# Altium PCB top_LM_v1.PcbDoc (part 2 of 5) (continued)
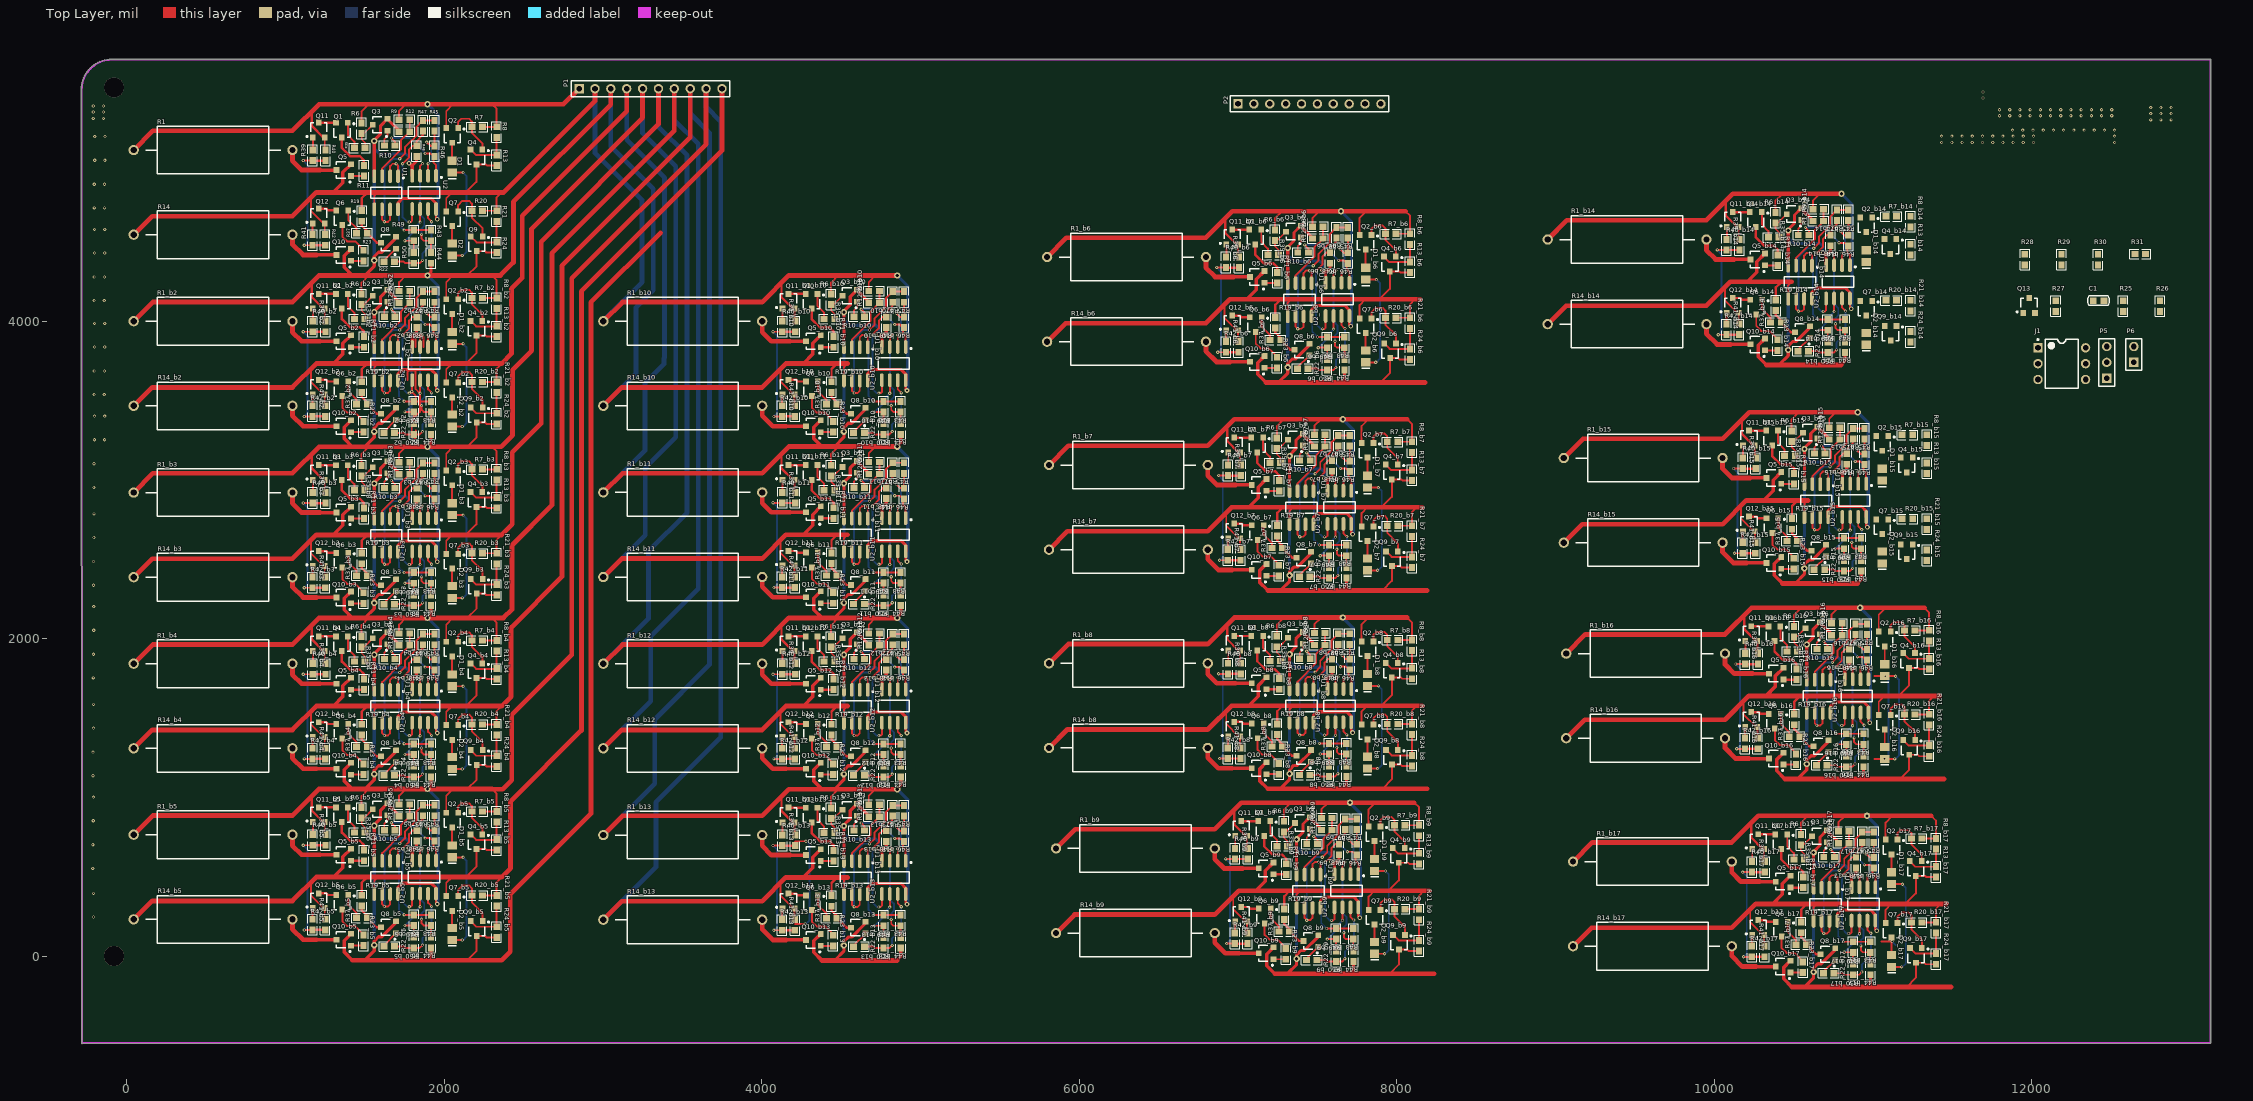
[diagram p0: Top Layer view]
## Part data (continued)

## Via types
v1: diameter 20, hole 10, Top Layer to Bottom Layer, 458 vias
v2: diameter 40, hole 20, Top Layer to Bottom Layer, 51 vias
v3: diameter 30, hole 15, Top Layer to Bottom Layer, 34 vias
v4: diameter 125.98, hole 125.98, Top Layer to Bottom Layer, 2 vias

## Nets (pads, with @x,y where several pads share a name; then routed paths per layer and width w, separated by ;. In a path a pad name is that pad's centre, name@x,y a point inside that pad or via, vN(x,y) a via of type N, cw(c..) or ccw(c..) an arc to the next point about the centre after c; other vN are vias at no path point)
12V_GND: 
+12V: 
ALARM: 
G1_VC1_BUF: R43.1 R49.1 U1.1 U1.2 | length 798.4
  Top Layer w12: U1.2@1660,4912.75 1660,4976.26 1675,4991.26 v1(1698,4991.26) 1710,4979.26 U1.1@1710,4912.75 ; v1@1748.54,4572.72 R49.1@1809,4572.72 R43.1@1917,4572.72
  Bottom Layer w12: v1(1698,4991.26) 1715,4974.26 1715,4606.26 v1(1748,4573.26)
G1_VC1_BUF_b2: R43_b2.1 R49_b2.1 U1_b2.1 U1_b2.2 | length 798.4
  Top Layer w12: U1_b2.2@1660,3834.75 1660,3898.26 1675,3913.26 v1(1698,3913.26) 1710,3901.26 U1_b2.1@1710,3834.75 ; v1@1748.54,3494.72 R49_b2.1@1809,3494.72 R43_b2.1@1917,3494.72
  Bottom Layer w12: v1(1698,3913.26) 1715,3896.26 1715,3528.26 v1(1748,3495.26)
G1_VC1_BUF_b3: R43_b3.1 R49_b3.1 U1_b3.1 U1_b3.2 | length 798.4
  Top Layer w12: U1_b3.2@1660,2755.75 1660,2819.26 1675,2834.26 v1(1698,2834.26) 1710,2822.26 U1_b3.1@1710,2755.75 ; v1@1748.54,2415.72 R49_b3.1@1809,2415.72 R43_b3.1@1917,2415.72
  Bottom Layer w12: v1(1698,2834.26) 1715,2817.26 1715,2449.26 v1(1748,2416.26)
G1_VC1_BUF_b4: R43_b4.1 R49_b4.1 U1_b4.1 U1_b4.2 | length 798.4
  Top Layer w12: U1_b4.2@1660,1677.75 1660,1741.26 1675,1756.26 v1(1698,1756.26) 1710,1744.26 U1_b4.1@1710,1677.75 ; v1@1748.54,1337.72 R49_b4.1@1809,1337.72 R43_b4.1@1917,1337.72
  Bottom Layer w12: v1(1698,1756.26) 1715,1739.26 1715,1371.26 v1(1748,1338.26)
G1_VC1_BUF_b5: R43_b5.1 R49_b5.1 U1_b5.1 U1_b5.2 | length 798.4
  Top Layer w12: U1_b5.2@1660,600.75 1660,664.26 1675,679.26 v1(1698,679.26) 1710,667.26 U1_b5.1@1710,600.75 ; v1@1748.54,260.72 R49_b5.1@1809,260.72 R43_b5.1@1917,260.72
  Bottom Layer w12: v1(1698,679.26) 1715,662.26 1715,294.26 v1(1748,261.26)
G1_VC1_BUF_b6: R43_b6.1 R49_b6.1 U1_b6.1 U1_b6.2 | length 798.4
  Top Layer w12: U1_b6.2@7412.75,4239.21 7412.75,4302.72 7427.75,4317.72 v1(7450.75,4317.72) 7462.75,4305.72 U1_b6.1@7462.75,4239.21 ; v1@7501.28,3899.19 R49_b6.1@7561.75,3899.19 R43_b6.1@7669.75,3899.19
  Bottom Layer w12: v1(7450.75,4317.72) 7467.75,4300.72 7467.75,3932.72 v1(7500.75,3899.72)
G1_VC1_BUF_b7: R43_b7.1 R49_b7.1 U1_b7.1 U1_b7.2 | length 798.4
  Top Layer w12: U1_b7.2@7424.75,2929.21 7424.75,2992.72 7439.75,3007.72 v1(7462.75,3007.72) 7474.75,2995.72 U1_b7.1@7474.75,2929.21 ; v1@7513.28,2589.19 R49_b7.1@7573.75,2589.19 R43_b7.1@7681.75,2589.19
  Bottom Layer w12: v1(7462.75,3007.72) 7479.75,2990.72 7479.75,2622.72 v1(7512.75,2589.72)
G1_VC1_BUF_b8: R43_b8.1 R49_b8.1 U1_b8.1 U1_b8.2 | length 798.4
  Top Layer w12: U1_b8.2@7424.75,1680.21 7424.75,1743.72 7439.75,1758.72 v1(7462.75,1758.72) 7474.75,1746.72 U1_b8.1@7474.75,1680.21 ; v1@7513.28,1340.19 R49_b8.1@7573.75,1340.19 R43_b8.1@7681.75,1340.19
  Bottom Layer w12: v1(7462.75,1758.72) 7479.75,1741.72 7479.75,1373.72 v1(7512.75,1340.72)
G1_VC1_BUF_b9: R43_b9.1 R49_b9.1 U1_b9.1 U1_b9.2 | length 798.4
  Top Layer w12: U1_b9.2@7469,514.49 7469,578 7484,593 v1(7507,593) 7519,581 U1_b9.1@7519,514.49 ; v1@7557.54,174.46 R49_b9.1@7618,174.46 R43_b9.1@7726,174.46
  Bottom Layer w12: v1(7507,593) 7524,576 7524,208 v1(7557,175)
G1_VC1_BUF_b10: R43_b10.1 R49_b10.1 U1_b10.1 U1_b10.2 | length 798.4
  Top Layer w12: U1_b10.2@4618,3834.75 4618,3898.26 4633,3913.26 v1(4656,3913.26) 4668,3901.26 U1_b10.1@4668,3834.75 ; v1@4706.54,3494.72 R49_b10.1@4767,3494.72 R43_b10.1@4875,3494.72
  Bottom Layer w12: v1(4656,3913.26) 4673,3896.26 4673,3528.26 v1(4706,3495.26)
G1_VC1_BUF_b11: R43_b11.1 R49_b11.1 U1_b11.1 U1_b11.2 | length 798.4
  Top Layer w12: U1_b11.2@4618,2756.75 4618,2820.26 4633,2835.26 v1(4656,2835.26) 4668,2823.26 U1_b11.1@4668,2756.75 ; v1@4706.54,2416.72 R49_b11.1@4767,2416.72 R43_b11.1@4875,2416.72
  Bottom Layer w12: v1(4656,2835.26) 4673,2818.26 4673,2450.26 v1(4706,2417.26)
G1_VC1_BUF_b12: R43_b12.1 R49_b12.1 U1_b12.1 U1_b12.2 | length 798.4
  Top Layer w12: U1_b12.2@4618,1677.75 4618,1741.26 4633,1756.26 v1(4656,1756.26) 4668,1744.26 U1_b12.1@4668,1677.75 ; v1@4706.54,1337.72 R49_b12.1@4767,1337.72 R43_b12.1@4875,1337.72
  Bottom Layer w12: v1(4656,1756.26) 4673,1739.26 4673,1371.26 v1(4706,1338.26)
G1_VC1_BUF_b13: R43_b13.1 R49_b13.1 U1_b13.1 U1_b13.2 | length 798.4
  Top Layer w12: U1_b13.2@4618,598.75 4618,662.26 4633,677.26 v1(4656,677.26) 4668,665.26 U1_b13.1@4668,598.75 ; v1@4706.54,258.72 R49_b13.1@4767,258.72 R43_b13.1@4875,258.72
  Bottom Layer w12: v1(4656,677.26) 4673,660.26 4673,292.26 v1(4706,259.26)
G1_VC1_BUF_b14: R43_b14.1 R49_b14.1 U1_b14.1 U1_b14.2 | length 798.4
  Top Layer w12: U1_b14.2@10565,4349.49 10565,4413 10580,4428 v1(10603,4428) 10615,4416 U1_b14.1@10615,4349.49 ; v1@10653.54,4009.46 R49_b14.1@10714,4009.46 R43_b14.1@10822,4009.46
  Bottom Layer w12: v1(10603,4428) 10620,4411 10620,4043 v1(10653,4010)
G1_VC1_BUF_b15: R43_b15.1 R49_b15.1 U1_b15.1 U1_b15.2 | length 798.4
  Top Layer w12: U1_b15.2@10667,2973.23 10667,3036.74 10682,3051.74 v1(10705,3051.74) 10717,3039.74 U1_b15.1@10717,2973.23 ; v1@10755.54,2633.2 R49_b15.1@10816,2633.2 R43_b15.1@10924,2633.2
  Bottom Layer w12: v1(10705,3051.74) 10722,3034.74 10722,2666.74 v1(10755,2633.74)
G1_VC1_BUF_b16: R43_b16.1 R49_b16.1 U1_b16.1 U1_b16.2 | length 798.4
  Top Layer w12: U1_b16.2@10682,1741.49 10682,1805 10697,1820 v1(10720,1820) 10732,1808 U1_b16.1@10732,1741.49 ; v1@10770.54,1401.46 R49_b16.1@10831,1401.46 R43_b16.1@10939,1401.46
  Bottom Layer w12: v1(10720,1820) 10737,1803 10737,1435 v1(10770,1402)
G1_VC1_BUF_b17: R43_b17.1 R49_b17.1 U1_b17.1 U1_b17.2 | length 798.4
  Top Layer w12: U1_b17.2@10725,431.49 10725,495 10740,510 v1(10763,510) 10775,498 U1_b17.1@10775,431.49 ; v1@10813.54,91.46 R49_b17.1@10874,91.46 R43_b17.1@10982,91.46
  Bottom Layer w12: v1(10763,510) 10780,493 10780,125 v1(10813,92)
G1_VC1_DISCH: R10.2 R46.2 U2.1 | length 497.4
  Top Layer w12: v1(1668,5153.26) 1690.46,5130.8 R10.2@1690.46,5106.26 ; v1(1880,5056.26) 1912.54,5056.26 1932,5036.8 1932,4999.26 1949,4982.26 U2.1@1949,4915.02
  Bottom Layer w12: v1(1668,5153.26) 1783,5153.26 v1(1880,5056.26)
G1_VC1_DISCH_b2: R10_b2.2 R46_b2.2 U2_b2.1 | length 497.4
  Top Layer w12: v1(1668,4075.26) 1690.46,4052.8 R10_b2.2@1690.46,4028.26 ; v1(1880,3978.26) 1912.54,3978.26 1932,3958.8 1932,3921.26 1949,3904.26 U2_b2.1@1949,3837.02
  Bottom Layer w12: v1(1668,4075.26) 1783,4075.26 v1(1880,3978.26)
G1_VC1_DISCH_b3: R10_b3.2 R46_b3.2 U2_b3.1 | length 497.4
  Top Layer w12: v1(1668,2996.26) 1690.46,2973.8 R10_b3.2@1690.46,2949.26 ; v1(1880,2899.26) 1912.54,2899.26 1932,2879.8 1932,2842.26 1949,2825.26 U2_b3.1@1949,2758.02
  Bottom Layer w12: v1(1668,2996.26) 1783,2996.26 v1(1880,2899.26)
G1_VC1_DISCH_b4: R10_b4.2 R46_b4.2 U2_b4.1 | length 497.4
  Top Layer w12: v1(1668,1918.26) 1690.46,1895.8 R10_b4.2@1690.46,1871.26 ; v1(1880,1821.26) 1912.54,1821.26 1932,1801.8 1932,1764.26 1949,1747.26 U2_b4.1@1949,1680.02
  Bottom Layer w12: v1(1668,1918.26) 1783,1918.26 v1(1880,1821.26)
G1_VC1_DISCH_b5: R10_b5.2 R46_b5.2 U2_b5.1 | length 497.4
  Top Layer w12: v1(1668,841.26) 1690.46,818.8 R10_b5.2@1690.46,794.26 ; v1(1880,744.26) 1912.54,744.26 1932,724.8 1932,687.26 1949,670.26 U2_b5.1@1949,603.02
  Bottom Layer w12: v1(1668,841.26) 1783,841.26 v1(1880,744.26)
G1_VC1_DISCH_b6: R10_b6.2 R46_b6.2 U2_b6.1 | length 497.4
  Top Layer w12: v1(7420.75,4479.72) 7443.21,4457.26 R10_b6.2@7443.21,4432.72 ; v1(7632.75,4382.72) 7665.28,4382.72 7684.75,4363.26 7684.75,4325.72 7701.75,4308.72 U2_b6.1@7701.75,4241.49
  Bottom Layer w12: v1(7420.75,4479.72) 7535.75,4479.72 v1(7632.75,4382.72)
G1_VC1_DISCH_b7: R10_b7.2 R46_b7.2 U2_b7.1 | length 497.4
  Top Layer w12: v1(7432.75,3169.72) 7455.21,3147.26 R10_b7.2@7455.21,3122.72 ; v1(7644.75,3072.72) 7677.28,3072.72 7696.75,3053.26 7696.75,3015.72 7713.75,2998.72 U2_b7.1@7713.75,2931.49
  Bottom Layer w12: v1(7432.75,3169.72) 7547.75,3169.72 v1(7644.75,3072.72)
G1_VC1_DISCH_b8: R10_b8.2 R46_b8.2 U2_b8.1 | length 497.4
  Top Layer w12: v1(7432.75,1920.72) 7455.21,1898.26 R10_b8.2@7455.21,1873.72 ; v1(7644.75,1823.72) 7677.28,1823.72 7696.75,1804.26 7696.75,1766.72 7713.75,1749.72 U2_b8.1@7713.75,1682.49
  Bottom Layer w12: v1(7432.75,1920.72) 7547.75,1920.72 v1(7644.75,1823.72)
G1_VC1_DISCH_b9: R10_b9.2 R46_b9.2 U2_b9.1 | length 497.4
  Top Layer w12: v1(7477,755) 7499.46,732.54 R10_b9.2@7499.46,708 ; v1(7689,658) 7721.54,658 7741,638.54 7741,601 7758,584 U2_b9.1@7758,516.76
  Bottom Layer w12: v1(7477,755) 7592,755 v1(7689,658)
G1_VC1_DISCH_b10: R10_b10.2 R46_b10.2 U2_b10.1 | length 497.4
  Top Layer w12: v1(4626,4075.26) 4648.46,4052.8 R10_b10.2@4648.46,4028.26 ; v1(4838,3978.26) 4870.54,3978.26 4890,3958.8 4890,3921.26 4907,3904.26 U2_b10.1@4907,3837.02
  Bottom Layer w12: v1(4626,4075.26) 4741,4075.26 v1(4838,3978.26)
G1_VC1_DISCH_b11: R10_b11.2 R46_b11.2 U2_b11.1 | length 497.4
  Top Layer w12: v1(4626,2997.26) 4648.46,2974.8 R10_b11.2@4648.46,2950.26 ; v1(4838,2900.26) 4870.54,2900.26 4890,2880.8 4890,2843.26 4907,2826.26 U2_b11.1@4907,2759.02
  Bottom Layer w12: v1(4626,2997.26) 4741,2997.26 v1(4838,2900.26)
G1_VC1_DISCH_b12: R10_b12.2 R46_b12.2 U2_b12.1 | length 497.4
  Top Layer w12: v1(4626,1918.26) 4648.46,1895.8 R10_b12.2@4648.46,1871.26 ; v1(4838,1821.26) 4870.54,1821.26 4890,1801.8 4890,1764.26 4907,1747.26 U2_b12.1@4907,1680.02
  Bottom Layer w12: v1(4626,1918.26) 4741,1918.26 v1(4838,1821.26)
G1_VC1_DISCH_b13: R10_b13.2 R46_b13.2 U2_b13.1 | length 497.4
  Top Layer w12: v1(4626,839.26) 4648.46,816.8 R10_b13.2@4648.46,792.26 ; v1(4838,742.26) 4870.54,742.26 4890,722.8 4890,685.26 4907,668.26 U2_b13.1@4907,601.02
  Bottom Layer w12: v1(4626,839.26) 4741,839.26 v1(4838,742.26)
G1_VC1_DISCH_b14: R10_b14.2 R46_b14.2 U2_b14.1 | length 497.4
  Top Layer w12: v1(10573,4590) 10595.46,4567.54 R10_b14.2@10595.46,4543 ; v1(10785,4493) 10817.54,4493 10837,4473.54 10837,4436 10854,4419 U2_b14.1@10854,4351.76
  Bottom Layer w12: v1(10573,4590) 10688,4590 v1(10785,4493)
G1_VC1_DISCH_b15: R10_b15.2 R46_b15.2 U2_b15.1 | length 497.4
  Top Layer w12: v1(10675,3213.74) 10697.46,3191.28 R10_b15.2@10697.46,3166.74 ; v1(10887,3116.74) 10919.54,3116.74 10939,3097.28 10939,3059.74 10956,3042.74 U2_b15.1@10956,2975.5
  Bottom Layer w12: v1(10675,3213.74) 10790,3213.74 v1(10887,3116.74)
G1_VC1_DISCH_b16: R10_b16.2 R46_b16.2 U2_b16.1 | length 497.4
  Top Layer w12: v1(10690,1982) 10712.46,1959.54 R10_b16.2@10712.46,1935 ; v1(10902,1885) 10934.54,1885 10954,1865.54 10954,1828 10971,1811 U2_b16.1@10971,1743.76
  Bottom Layer w12: v1(10690,1982) 10805,1982 v1(10902,1885)
G1_VC1_DISCH_b17: R10_b17.2 R46_b17.2 U2_b17.1 | length 497.4
  Top Layer w12: v1(10733,672) 10755.46,649.54 R10_b17.2@10755.46,625 ; v1(10945,575) 10977.54,575 10997,555.54 10997,518 11014,501 U2_b17.1@11014,433.76
  Bottom Layer w12: v1(10733,672) 10848,672 v1(10945,575)
G1_VC1_VOL: R9.1 R12.2 U1.3 | length 427.4
  Top Layer w12: U1.3@1610,4912.75 1610,4961.83 1728.12,5079.95 1728.12,5137.91 R12.2@1783.46,5193.26 R9.1@1783.46,5268.26
G1_VC1_VOL_b2: R9_b2.1 R12_b2.2 U1_b2.3 | length 427.4
  Top Layer w12: U1_b2.3@1610,3834.75 1610,3883.83 1728.12,4001.95 1728.12,4059.91 R12_b2.2@1783.46,4115.26 R9_b2.1@1783.46,4190.26
G1_VC1_VOL_b3: R9_b3.1 R12_b3.2 U1_b3.3 | length 427.4
  Top Layer w12: U1_b3.3@1610,2755.75 1610,2804.83 1728.12,2922.95 1728.12,2980.91 R12_b3.2@1783.46,3036.26 R9_b3.1@1783.46,3111.26
G1_VC1_VOL_b4: R9_b4.1 R12_b4.2 U1_b4.3 | length 427.4
  Top Layer w12: U1_b4.3@1610,1677.75 1610,1726.83 1728.12,1844.95 1728.12,1902.91 R12_b4.2@1783.46,1958.26 R9_b4.1@1783.46,2033.26
G1_VC1_VOL_b5: R9_b5.1 R12_b5.2 U1_b5.3 | length 427.4
  Top Layer w12: U1_b5.3@1610,600.75 1610,649.83 1728.12,767.95 1728.12,825.91 R12_b5.2@1783.46,881.26 R9_b5.1@1783.46,956.26
G1_VC1_VOL_b6: R9_b6.1 R12_b6.2 U1_b6.3 | length 427.4
  Top Layer w12: U1_b6.3@7362.75,4239.21 7362.75,4288.29 7480.87,4406.41 7480.87,4464.38 R12_b6.2@7536.21,4519.72 R9_b6.1@7536.21,4594.72
G1_VC1_VOL_b7: R9_b7.1 R12_b7.2 U1_b7.3 | length 427.4
  Top Layer w12: U1_b7.3@7374.75,2929.21 7374.75,2978.29 7492.87,3096.41 7492.87,3154.38 R12_b7.2@7548.21,3209.72 R9_b7.1@7548.21,3284.72
G1_VC1_VOL_b8: R9_b8.1 R12_b8.2 U1_b8.3 | length 427.4
  Top Layer w12: U1_b8.3@7374.75,1680.21 7374.75,1729.29 7492.87,1847.41 7492.87,1905.38 R12_b8.2@7548.21,1960.72 R9_b8.1@7548.21,2035.72
G1_VC1_VOL_b9: R9_b9.1 R12_b9.2 U1_b9.3 | length 427.4
  Top Layer w12: U1_b9.3@7419,514.49 7419,563.57 7537.12,681.69 7537.12,739.65 R12_b9.2@7592.46,795 R9_b9.1@7592.46,870
G1_VC1_VOL_b10: R9_b10.1 R12_b10.2 U1_b10.3 | length 427.4
  Top Layer w12: U1_b10.3@4568,3834.75 4568,3883.83 4686.12,4001.95 4686.12,4059.91 R12_b10.2@4741.46,4115.26 R9_b10.1@4741.46,4190.26
G1_VC1_VOL_b11: R9_b11.1 R12_b11.2 U1_b11.3 | length 427.4
  Top Layer w12: U1_b11.3@4568,2756.75 4568,2805.83 4686.12,2923.95 4686.12,2981.91 R12_b11.2@4741.46,3037.26 R9_b11.1@4741.46,3112.26
G1_VC1_VOL_b12: R9_b12.1 R12_b12.2 U1_b12.3 | length 427.4
  Top Layer w12: U1_b12.3@4568,1677.75 4568,1726.83 4686.12,1844.95 4686.12,1902.91 R12_b12.2@4741.46,1958.26 R9_b12.1@4741.46,2033.26
G1_VC1_VOL_b13: R9_b13.1 R12_b13.2 U1_b13.3 | length 427.4
  Top Layer w12: U1_b13.3@4568,598.75 4568,647.83 4686.12,765.95 4686.12,823.91 R12_b13.2@4741.46,879.26 R9_b13.1@4741.46,954.26
G1_VC1_VOL_b14: R9_b14.1 R12_b14.2 U1_b14.3 | length 427.4
  Top Layer w12: U1_b14.3@10515,4349.49 10515,4398.57 10633.12,4516.69 10633.12,4574.65 R12_b14.2@10688.46,4630 R9_b14.1@10688.46,4705
G1_VC1_VOL_b15: R9_b15.1 R12_b15.2 U1_b15.3 | length 427.4
  Top Layer w12: U1_b15.3@10617,2973.23 10617,3022.31 10735.12,3140.43 10735.12,3198.39 R12_b15.2@10790.46,3253.74 R9_b15.1@10790.46,3328.74
G1_VC1_VOL_b16: R9_b16.1 R12_b16.2 U1_b16.3 | length 427.4
  Top Layer w12: U1_b16.3@10632,1741.49 10632,1790.57 10750.12,1908.69 10750.12,1966.65 R12_b16.2@10805.46,2022 R9_b16.1@10805.46,2097
G1_VC1_VOL_b17: R9_b17.1 R12_b17.2 U1_b17.3 | length 427.4
  Top Layer w12: U1_b17.3@10675,431.49 10675,480.57 10793.12,598.69 10793.12,656.65 R12_b17.2@10848.46,712 R9_b17.1@10848.46,787
G1_VC2_BUF: R45.1 R47.1 U1.6 U1.7 | length 1025.4
  Top Layer w12: U1.6@1610,4703.77 1610,4639.26 v1(1624,4625.26) 1646,4625.26 1660,4639.26 U1.7@1660,4703.77 ; v1(1721,5022.26) 1753,5054.26 1753,5094.69 1800.69,5142.38 1801.12,5142.38 1825,5166.26 1825,5221.72 R47.1@1867,5263.72 R45.1@1939,5263.72
  Bottom Layer w12: v1(1624,4625.26) 1624,4965.26 1681,5022.26 v1(1721,5022.26)
G1_VC2_BUF_b2: R45_b2.1 R47_b2.1 U1_b2.6 U1_b2.7 | length 1025.4
  Top Layer w12: U1_b2.6@1610,3625.77 1610,3561.26 v1(1624,3547.26) 1646,3547.26 1660,3561.26 U1_b2.7@1660,3625.77 ; v1(1721,3944.26) 1753,3976.26 1753,4016.69 1800.69,4064.38 1801.12,4064.38 1825,4088.26 1825,4143.72 R47_b2.1@1867,4185.72 R45_b2.1@1939,4185.72
  Bottom Layer w12: v1(1624,3547.26) 1624,3887.26 1681,3944.26 v1(1721,3944.26)
G1_VC2_BUF_b3: R45_b3.1 R47_b3.1 U1_b3.6 U1_b3.7 | length 1025.4
  Top Layer w12: U1_b3.6@1610,2546.77 1610,2482.26 v1(1624,2468.26) 1646,2468.26 1660,2482.26 U1_b3.7@1660,2546.77 ; v1(1721,2865.26) 1753,2897.26 1753,2937.69 1800.69,2985.38 1801.12,2985.38 1825,3009.26 1825,3064.72 R47_b3.1@1867,3106.72 R45_b3.1@1939,3106.72
  Bottom Layer w12: v1(1624,2468.26) 1624,2808.26 1681,2865.26 v1(1721,2865.26)
G1_VC2_BUF_b4: R45_b4.1 R47_b4.1 U1_b4.6 U1_b4.7 | length 1025.4
  Top Layer w12: U1_b4.6@1610,1468.77 1610,1404.26 v1(1624,1390.26) 1646,1390.26 1660,1404.26 U1_b4.7@1660,1468.77 ; v1(1721,1787.26) 1753,1819.26 1753,1859.69 1800.69,1907.38 1801.12,1907.38 1825,1931.26 1825,1986.72 R47_b4.1@1867,2028.72 R45_b4.1@1939,2028.72
  Bottom Layer w12: v1(1624,1390.26) 1624,1730.26 1681,1787.26 v1(1721,1787.26)
G1_VC2_BUF_b5: R45_b5.1 R47_b5.1 U1_b5.6 U1_b5.7 | length 1025.4
  Top Layer w12: U1_b5.6@1610,391.77 1610,327.26 v1(1624,313.26) 1646,313.26 1660,327.26 U1_b5.7@1660,391.77 ; v1(1721,710.26) 1753,742.26 1753,782.69 1800.69,830.38 1801.12,830.38 1825,854.26 1825,909.72 R47_b5.1@1867,951.72 R45_b5.1@1939,951.72
  Bottom Layer w12: v1(1624,313.26) 1624,653.26 1681,710.26 v1(1721,710.26)
G1_VC2_BUF_b6: R45_b6.1 R47_b6.1 U1_b6.6 U1_b6.7 | length 1025.4
  Top Layer w12: U1_b6.6@7362.75,4030.24 7362.75,3965.72 v1(7376.75,3951.72) 7398.75,3951.72 7412.75,3965.72 U1_b6.7@7412.75,4030.24 ; v1(7473.75,4348.72) 7505.75,4380.72 7505.75,4421.16 7553.44,4468.84 7553.87,4468.84 7577.75,4492.72 7577.75,4548.19 R47_b6.1@7619.75,4590.19 R45_b6.1@7691.75,4590.19
  Bottom Layer w12: v1(7376.75,3951.72) 7376.75,4291.72 7433.75,4348.72 v1(7473.75,4348.72)
G1_VC2_BUF_b7: R45_b7.1 R47_b7.1 U1_b7.6 U1_b7.7 | length 1025.4
  Top Layer w12: U1_b7.6@7374.75,2720.24 7374.75,2655.72 v1(7388.75,2641.72) 7410.75,2641.72 7424.75,2655.72 U1_b7.7@7424.75,2720.24 ; v1(7485.75,3038.72) 7517.75,3070.72 7517.75,3111.16 7565.44,3158.84 7565.87,3158.84 7589.75,3182.72 7589.75,3238.19 R47_b7.1@7631.75,3280.19 R45_b7.1@7703.75,3280.19
  Bottom Layer w12: v1(7388.75,2641.72) 7388.75,2981.72 7445.75,3038.72 v1(7485.75,3038.72)
G1_VC2_BUF_b8: R45_b8.1 R47_b8.1 U1_b8.6 U1_b8.7 | length 1025.4
  Top Layer w12: U1_b8.6@7374.75,1471.24 7374.75,1406.72 v1(7388.75,1392.72) 7410.75,1392.72 7424.75,1406.72 U1_b8.7@7424.75,1471.24 ; v1(7485.75,1789.72) 7517.75,1821.72 7517.75,1862.16 7565.44,1909.84 7565.87,1909.84 7589.75,1933.72 7589.75,1989.19 R47_b8.1@7631.75,2031.19 R45_b8.1@7703.75,2031.19
  Bottom Layer w12: v1(7388.75,1392.72) 7388.75,1732.72 7445.75,1789.72 v1(7485.75,1789.72)
G1_VC2_BUF_b9: R45_b9.1 R47_b9.1 U1_b9.6 U1_b9.7 | length 1025.4
  Top Layer w12: U1_b9.6@7419,305.51 7419,241 v1(7433,227) 7455,227 7469,241 U1_b9.7@7469,305.51 ; v1(7530,624) 7562,656 7562,696.43 7609.69,744.12 7610.12,744.12 7634,768 7634,823.46 R47_b9.1@7676,865.46 R45_b9.1@7748,865.46
  Bottom Layer w12: v1(7433,227) 7433,567 7490,624 v1(7530,624)
G1_VC2_BUF_b10: R45_b10.1 R47_b10.1 U1_b10.6 U1_b10.7 | length 1025.4
  Top Layer w12: U1_b10.6@4568,3625.77 4568,3561.26 v1(4582,3547.26) 4604,3547.26 4618,3561.26 U1_b10.7@4618,3625.77 ; v1(4679,3944.26) 4711,3976.26 4711,4016.69 4758.69,4064.38 4759.12,4064.38 4783,4088.26 4783,4143.72 R47_b10.1@4825,4185.72 R45_b10.1@4897,4185.72
  Bottom Layer w12: v1(4582,3547.26) 4582,3887.26 4639,3944.26 v1(4679,3944.26)
G1_VC2_BUF_b11: R45_b11.1 R47_b11.1 U1_b11.6 U1_b11.7 | length 1025.4
  Top Layer w12: U1_b11.6@4568,2547.77 4568,2483.26 v1(4582,2469.26) 4604,2469.26 4618,2483.26 U1_b11.7@4618,2547.77 ; v1(4679,2866.26) 4711,2898.26 4711,2938.69 4758.69,2986.38 4759.12,2986.38 4783,3010.26 4783,3065.72 R47_b11.1@4825,3107.72 R45_b11.1@4897,3107.72
  Bottom Layer w12: v1(4582,2469.26) 4582,2809.26 4639,2866.26 v1(4679,2866.26)
G1_VC2_BUF_b12: R45_b12.1 R47_b12.1 U1_b12.6 U1_b12.7 | length 1025.4
  Top Layer w12: U1_b12.6@4568,1468.77 4568,1404.26 v1(4582,1390.26) 4604,1390.26 4618,1404.26 U1_b12.7@4618,1468.77 ; v1(4679,1787.26) 4711,1819.26 4711,1859.69 4758.69,1907.38 4759.12,1907.38 4783,1931.26 4783,1986.72 R47_b12.1@4825,2028.72 R45_b12.1@4897,2028.72
  Bottom Layer w12: v1(4582,1390.26) 4582,1730.26 4639,1787.26 v1(4679,1787.26)
G1_VC2_BUF_b13: R45_b13.1 R47_b13.1 U1_b13.6 U1_b13.7 | length 1025.4
  Top Layer w12: U1_b13.6@4568,389.77 4568,325.26 v1(4582,311.26) 4604,311.26 4618,325.26 U1_b13.7@4618,389.77 ; v1(4679,708.26) 4711,740.26 4711,780.69 4758.69,828.38 4759.12,828.38 4783,852.26 4783,907.72 R47_b13.1@4825,949.72 R45_b13.1@4897,949.72
  Bottom Layer w12: v1(4582,311.26) 4582,651.26 4639,708.26 v1(4679,708.26)
G1_VC2_BUF_b14: R45_b14.1 R47_b14.1 U1_b14.6 U1_b14.7 | length 1025.4
  Top Layer w12: U1_b14.6@10515,4140.51 10515,4076 v1(10529,4062) 10551,4062 10565,4076 U1_b14.7@10565,4140.51 ; v1(10626,4459) 10658,4491 10658,4531.43 10705.69,4579.12 10706.12,4579.12 10730,4603 10730,4658.46 R47_b14.1@10772,4700.46 R45_b14.1@10844,4700.46
  Bottom Layer w12: v1(10529,4062) 10529,4402 10586,4459 v1(10626,4459)
G1_VC2_BUF_b15: R45_b15.1 R47_b15.1 U1_b15.6 U1_b15.7 | length 1025.4
  Top Layer w12: U1_b15.6@10617,2764.25 10617,2699.74 v1(10631,2685.74) 10653,2685.74 10667,2699.74 U1_b15.7@10667,2764.25 ; v1(10728,3082.74) 10760,3114.74 10760,3155.17 10807.69,3202.86 10808.12,3202.86 10832,3226.74 10832,3282.2 R47_b15.1@10874,3324.2 R45_b15.1@10946,3324.2
  Bottom Layer w12: v1(10631,2685.74) 10631,3025.74 10688,3082.74 v1(10728,3082.74)
G1_VC2_BUF_b16: R45_b16.1 R47_b16.1 U1_b16.6 U1_b16.7 | length 1025.4
  Top Layer w12: U1_b16.6@10632,1532.51 10632,1468 v1(10646,1454) 10668,1454 10682,1468 U1_b16.7@10682,1532.51 ; v1(10743,1851) 10775,1883 10775,1923.43 10822.69,1971.12 10823.12,1971.12 10847,1995 10847,2050.46 R47_b16.1@10889,2092.46 R45_b16.1@10961,2092.46
  Bottom Layer w12: v1(10646,1454) 10646,1794 10703,1851 v1(10743,1851)
G1_VC2_BUF_b17: R45_b17.1 R47_b17.1 U1_b17.6 U1_b17.7 | length 1025.4
  Top Layer w12: U1_b17.6@10675,222.51 10675,158 v1(10689,144) 10711,144 10725,158 U1_b17.7@10725,222.51 ; v1(10786,541) 10818,573 10818,613.43 10865.69,661.12 10866.12,661.12 10890,685 10890,740.46 R47_b17.1@10932,782.46 R45_b17.1@11004,782.46
  Bottom Layer w12: v1(10689,144) 10689,484 10746,541 v1(10786,541)
G1_VC2_DISCH: R22.1 R50.2 U2.7 | length 543.2
  Top Layer w12: R22.1@1688.46,4374.26 1745,4374.26 1754.46,4364.8 R50.2@1809,4364.8 1846.54,4364.8 v1(1864,4382.26) ; U2.7@1899,4706.05 1899,4648.26 v1(1921,4626.26)
  Bottom Layer w12: v1(1864,4382.26) 1864,4427.26 1921,4484.26 v1(1921,4626.26)
G1_VC2_DISCH_b2: R22_b2.1 R50_b2.2 U2_b2.7 | length 543.2
  Top Layer w12: R22_b2.1@1688.46,3296.26 1745,3296.26 1754.46,3286.8 R50_b2.2@1809,3286.8 1846.54,3286.8 v1(1864,3304.26) ; U2_b2.7@1899,3628.05 1899,3570.26 v1(1921,3548.26)
  Bottom Layer w12: v1(1864,3304.26) 1864,3349.26 1921,3406.26 v1(1921,3548.26)
G1_VC2_DISCH_b3: R22_b3.1 R50_b3.2 U2_b3.7 | length 543.2
  Top Layer w12: R22_b3.1@1688.46,2217.26 1745,2217.26 1754.46,2207.8 R50_b3.2@1809,2207.8 1846.54,2207.8 v1(1864,2225.26) ; U2_b3.7@1899,2549.05 1899,2491.26 v1(1921,2469.26)
  Bottom Layer w12: v1(1864,2225.26) 1864,2270.26 1921,2327.26 v1(1921,2469.26)
G1_VC2_DISCH_b4: R22_b4.1 R50_b4.2 U2_b4.7 | length 543.2
  Top Layer w12: R22_b4.1@1688.46,1139.26 1745,1139.26 1754.46,1129.8 R50_b4.2@1809,1129.8 1846.54,1129.8 v1(1864,1147.26) ; U2_b4.7@1899,1471.05 1899,1413.26 v1(1921,1391.26)
  Bottom Layer w12: v1(1864,1147.26) 1864,1192.26 1921,1249.26 v1(1921,1391.26)
G1_VC2_DISCH_b5: R22_b5.1 R50_b5.2 U2_b5.7 | length 543.2
  Top Layer w12: R22_b5.1@1688.46,62.26 1745,62.26 1754.46,52.8 R50_b5.2@1809,52.8 1846.54,52.8 v1(1864,70.26) ; U2_b5.7@1899,394.05 1899,336.26 v1(1921,314.26)
  Bottom Layer w12: v1(1864,70.26) 1864,115.26 1921,172.26 v1(1921,314.26)
G1_VC2_DISCH_b6: R22_b6.1 R50_b6.2 U2_b6.7 | length 543.2
  Top Layer w12: R22_b6.1@7441.21,3700.72 7497.75,3700.72 7507.21,3691.26 R50_b6.2@7561.75,3691.26 7599.28,3691.26 v1(7616.75,3708.72) ; U2_b6.7@7651.75,4032.51 7651.75,3974.72 v1(7673.75,3952.72)
  Bottom Layer w12: v1(7616.75,3708.72) 7616.75,3753.72 7673.75,3810.72 v1(7673.75,3952.72)
G1_VC2_DISCH_b7: R22_b7.1 R50_b7.2 U2_b7.7 | length 543.2
  Top Layer w12: R22_b7.1@7453.21,2390.72 7509.75,2390.72 7519.21,2381.26 R50_b7.2@7573.75,2381.26 7611.28,2381.26 v1(7628.75,2398.72) ; U2_b7.7@7663.75,2722.51 7663.75,2664.72 v1(7685.75,2642.72)
  Bottom Layer w12: v1(7628.75,2398.72) 7628.75,2443.72 7685.75,2500.72 v1(7685.75,2642.72)
G1_VC2_DISCH_b8: R22_b8.1 R50_b8.2 U2_b8.7 | length 543.2
  Top Layer w12: R22_b8.1@7453.21,1141.72 7509.75,1141.72 7519.21,1132.26 R50_b8.2@7573.75,1132.26 7611.28,1132.26 v1(7628.75,1149.72) ; U2_b8.7@7663.75,1473.51 7663.75,1415.72 v1(7685.75,1393.72)
  Bottom Layer w12: v1(7628.75,1149.72) 7628.75,1194.72 7685.75,1251.72 v1(7685.75,1393.72)
G1_VC2_DISCH_b9: R22_b9.1 R50_b9.2 U2_b9.7 | length 543.2
  Top Layer w12: R22_b9.1@7497.46,-24 7554,-24 7563.46,-33.46 R50_b9.2@7618,-33.46 7655.54,-33.46 v1(7673,-16) ; U2_b9.7@7708,307.79 7708,250 v1(7730,228)
  Bottom Layer w12: v1(7673,-16) 7673,29 7730,86 v1(7730,228)
G1_VC2_DISCH_b10: R22_b10.1 R50_b10.2 U2_b10.7 | length 543.2
  Top Layer w12: R22_b10.1@4646.46,3296.26 4703,3296.26 4712.46,3286.8 R50_b10.2@4767,3286.8 4804.54,3286.8 v1(4822,3304.26) ; U2_b10.7@4857,3628.05 4857,3570.26 v1(4879,3548.26)
  Bottom Layer w12: v1(4822,3304.26) 4822,3349.26 4879,3406.26 v1(4879,3548.26)
G1_VC2_DISCH_b11: R22_b11.1 R50_b11.2 U2_b11.7 | length 543.2
  Top Layer w12: R22_b11.1@4646.46,2218.26 4703,2218.26 4712.46,2208.8 R50_b11.2@4767,2208.8 4804.54,2208.8 v1(4822,2226.26) ; U2_b11.7@4857,2550.05 4857,2492.26 v1(4879,2470.26)
  Bottom Layer w12: v1(4822,2226.26) 4822,2271.26 4879,2328.26 v1(4879,2470.26)
G1_VC2_DISCH_b12: R22_b12.1 R50_b12.2 U2_b12.7 | length 543.2
  Top Layer w12: R22_b12.1@4646.46,1139.26 4703,1139.26 4712.46,1129.8 R50_b12.2@4767,1129.8 4804.54,1129.8 v1(4822,1147.26) ; U2_b12.7@4857,1471.05 4857,1413.26 v1(4879,1391.26)
  Bottom Layer w12: v1(4822,1147.26) 4822,1192.26 4879,1249.26 v1(4879,1391.26)
G1_VC2_DISCH_b13: R22_b13.1 R50_b13.2 U2_b13.7 | length 543.2
  Top Layer w12: R22_b13.1@4646.46,60.26 4703,60.26 4712.46,50.8 R50_b13.2@4767,50.8 4804.54,50.8 v1(4822,68.26) ; U2_b13.7@4857,392.05 4857,334.26 v1(4879,312.26)
  Bottom Layer w12: v1(4822,68.26) 4822,113.26 4879,170.26 v1(4879,312.26)
G1_VC2_DISCH_b14: R22_b14.1 R50_b14.2 U2_b14.7 | length 543.2
  Top Layer w12: R22_b14.1@10593.46,3811 10650,3811 10659.46,3801.54 R50_b14.2@10714,3801.54 10751.54,3801.54 v1(10769,3819) ; U2_b14.7@10804,4142.79 10804,4085 v1(10826,4063)
  Bottom Layer w12: v1(10769,3819) 10769,3864 10826,3921 v1(10826,4063)
G1_VC2_DISCH_b15: R22_b15.1 R50_b15.2 U2_b15.7 | length 543.2
  Top Layer w12: R22_b15.1@10695.46,2434.74 10752,2434.74 10761.46,2425.28 R50_b15.2@10816,2425.28 10853.54,2425.28 v1(10871,2442.74) ; U2_b15.7@10906,2766.53 10906,2708.74 v1(10928,2686.74)
  Bottom Layer w12: v1(10871,2442.74) 10871,2487.74 10928,2544.74 v1(10928,2686.74)